# Altium PCB PCB_3U_DDS.PcbDoc (part 7 of 12)
Units mil, origin at the board's own origin, x right, y up, seen from the top; angles counter-clockwise.
Board outline 6338.37 x 3937 mil, 6 copper layers (L1, P2, L3, L4, P5, L6), stack 64.885 mil thick; 954 components, 537 nets, 3358 pads, 2342 vias.
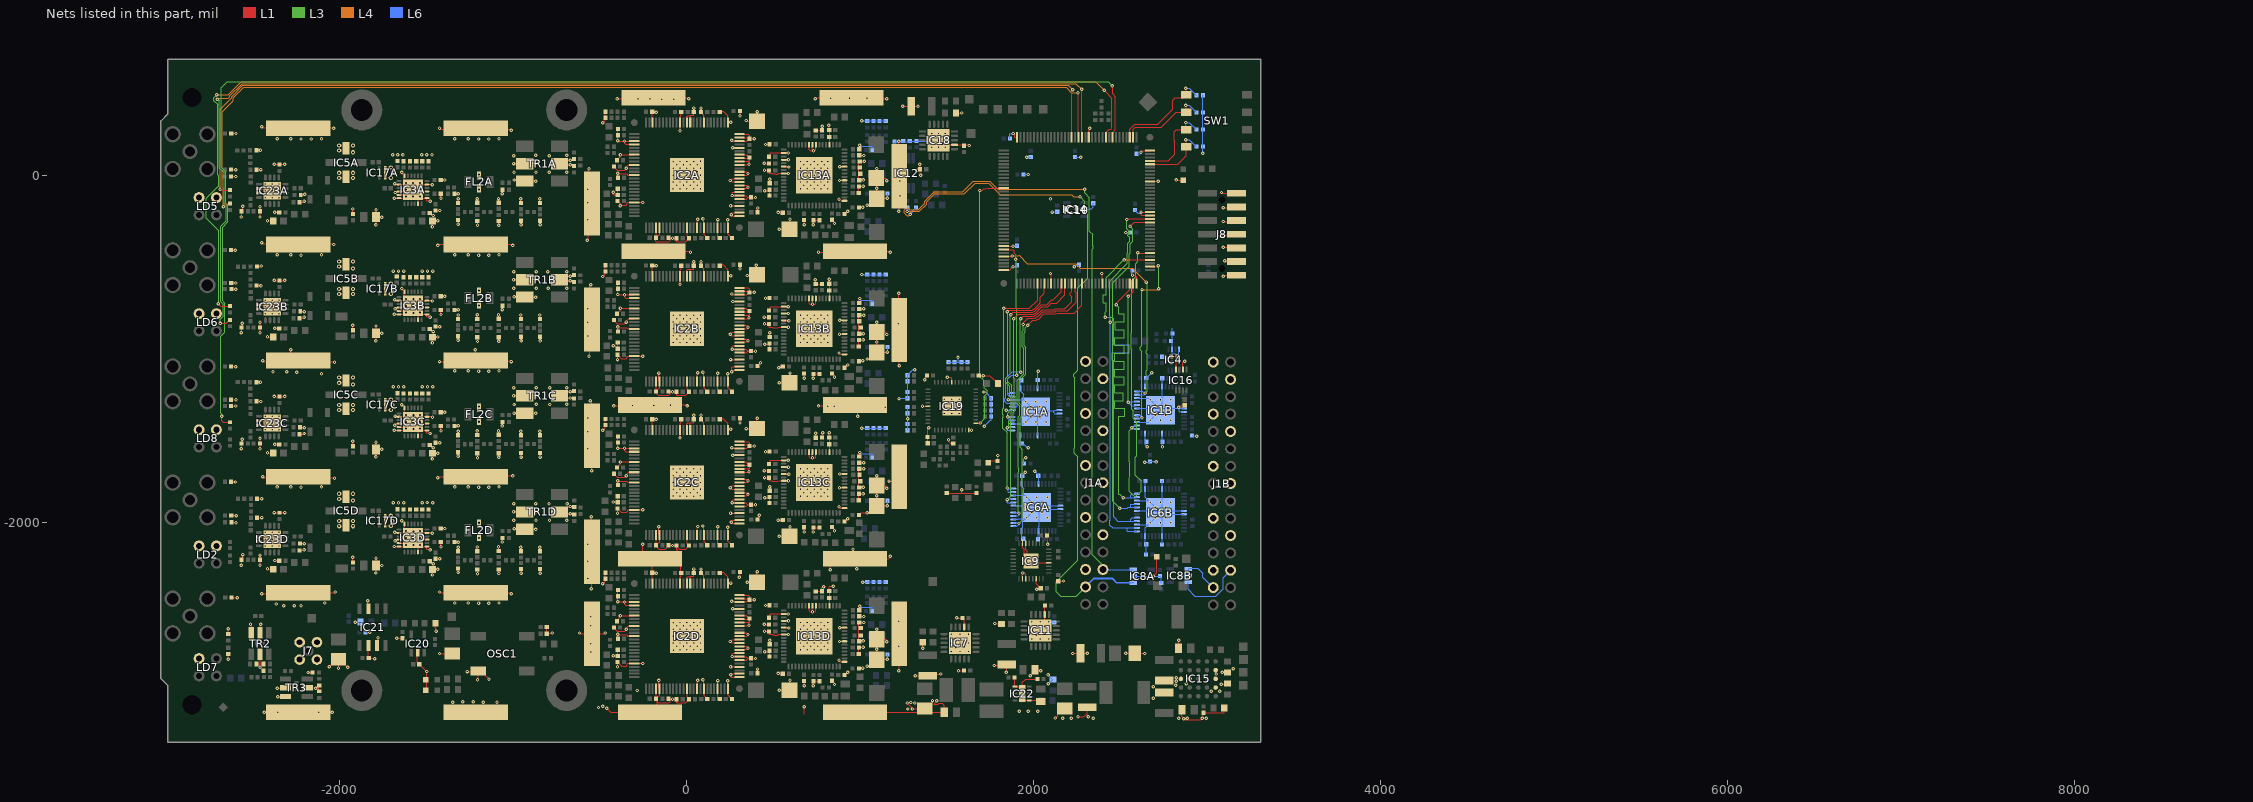
[diagram p11: the nets of this part, all layers, seen from the top]

## Via types
v1: diameter 19.68, hole 7.87, L1 to L6, tented both sides, 2254 vias
v2: diameter 23.62, hole 11.81, L1 to L6, tented both sides, 88 vias

## Nets (pads, with @x,y where several pads share a name; then routed paths per layer and width w, separated by ;. In a path a pad name is that pad's centre, name@x,y a point inside that pad or via, vN(x,y) a via of type N, cw(c..) or ccw(c..) an arc to the next point about the centre after c; other vN are vias at no path point) (continued)
GND: (continued)
  L1 w5.98: v1(1017.72,-1799.32) 993.57,-1799.32 990.94,-1799.32 990.94,-1764.24 990.94,-1727.24 990.94,-1695.77 C144C.1@993.7,-1693.02 v1(1019.69,-1693.02) ; v1(1017.72,-913.49) 993.57,-913.49 990.94,-913.49 990.94,-878.06 990.94,-841.83 990.94,-809.94 C144B.1@993.7,-807.19 v1(1019.69,-807.19) ; v1(1017.72,-27.66) 993.57,-27.66 990.94,-27.66 990.94,8.21 990.94,44.21 990.94,75.88 993.7,78.64 996.59,78.64 1021.3,78.64 v1(1021.87,79.21) ; v1(1038.86,-2831.48) 1057.2,-2831.48 C115D.2@1095.28,-2793.41 ; v1(1038.86,-1059.83) 1057.2,-1059.83 C115B.2@1095.28,-1021.76 ; v1(1038.86,-174) 1057.2,-174 C115A.2@1095.28,-135.93 ; v1@1092.87,-841.68 v1@1094.86,-843.66 ; v1@1094.86,-2615.31 1095.28,-2615.73 v1(1095.28,-2618.53) C162D.2@1095.28,-2675.3 ; v1(1094.87,-847.79) 1094.87,-845.68 1093.87,-844.68 v1@1094.87,-843.68 ; v1(1094.87,38.21) 1094.87,42.18 v1@1095.28,42.58 ; v1@1096.91,44.21 v1@1095.28,42.58 ; v1(1151.86,-2690.48) 1150.86,-2689.48 1150.86,-2678.72 1147.44,-2675.3 C162D.2@1095.28,-2675.3 ; v1(1151.86,-1804.65) 1150.86,-1803.65 1150.86,-1792.89 1147.44,-1789.47 C162C.2@1095.28,-1789.47 ; v1(1151.86,-918.83) 1150.86,-917.83 1150.86,-907.06 1147.44,-903.65 C162B.2@1095.28,-903.65 ; v1(1151.86,-33) 1150.86,-32 1150.86,-21.24 1147.44,-17.82 C162A.2@1095.28,-17.82 ; v1(1155.86,-2791.48) 1097.2,-2791.48 C115D.2@1095.28,-2793.41 ; v1(1155.86,-1905.65) 1097.2,-1905.65 C115C.2@1095.28,-1907.58 ; v1(1155.86,-1019.83) 1097.2,-1019.83 C115B.2@1095.28,-1021.76 ; v1(1155.86,-134) 1097.2,-134 C115A.2@1095.28,-135.93 ; v1(1165.35,-1763.47) 1199.23,-1763.47 CLIP28.1@1224.41,-1738.29 ; v1(1172.39,-2196.54) 1172.39,-2201.73 1163.38,-2210.73 CLIP4.1@968.5,-2210.73 ; v1(1221.6,-2855.99) 1224.41,-2853.18 1224.41,-2715.79 CLIP27.1@1224.41,-2643.8 ; v1(1221.6,-680.79) 1221.6,-856.58 1221.6,-889.02 CLIP29.1@1224.41,-891.83 1224.41,-1091.37 1221.6,-1094.18 1224.87,-1097.45 v1(1224.87,-1098.79) ; v1(1221.6,-208.35) 1224.41,-205.54 1224.41,-119.58 1224.41,-33.58 CLIP1.1@1224.41,-6.01 1221.6,-3.2 v1(1221.6,195.19) ; v1(1244.09,397.54) C169.1@1293.31,397.54 v1(1332.68,397.54) ; v1(1270.81,-3042.99) 1302.72,-3074.91 C156.2@1372.05,-3074.91 ; v1(1316.93,-2885.51) 1372.46,-2885.51 1379.92,-2878.06 1388.92,-2878.06 1461.73,-2878.06 v1(1464.11,-2875.67) ; v1(1328.51,28.42) 1339.54,28.42 C167.2@1344.49,33.36 ; v1(1342.52,62.89) 1344.49,60.92 C167.2@1344.49,33.36 ; v1(1348.51,-1.58) 1344.49,2.44 C167.2@1344.49,33.36 ; v1(1358.27,-1332.78) 1359.25,-1331.8 IC19.6@1389.76,-1331.8 ; v1(1359.39,-2728.03) R80.1@1359.39,-2693.91 ; v1(1371.4,-1180.24) 1371.4,-1172.7 C98.1@1384.51,-1159.58 ; C98.1@1378.4,-1161.08 C98.1@1383.86,-1155.61 ; C91.1@1388.14,-1545.83 1387.8,-1545.48 C97.1@1387.8,-1509.95 1387.8,-1463.89 v1(1394.86,-1456.83) ; v1(1439.87,-3029.79) 1439.87,-3032.08 1440.94,-3033.15 1424.3,-3049.79 1449.09,-3049.79 1453.38,-3045.5 1471.58,-3045.5 1484.25,-3058.17 C183.1@1484.25,-3096.56 1393.7,-3096.56 C156.2@1372.05,-3074.91 ; R110.2@1496.38,-1832.29 R110.2@1498.87,-1832.29 1584.87,-1832.29 ; v1(1501.61,-1164.39) 1519.93,-1164.39 1527.56,-1172.02 IC19.39@1527.56,-1194 ; v1(1508.39,-1526.32) 1508.39,-1535.35 1519.21,-1546.18 1534.27,-1546.18 C94.1@1535.43,-1547.35 ; IC18.21@1514.63,157.04 1514.63,175.09 IC18.12@1543.31,175.09 1598.43,175.09 1624.02,175.09 v1(1627.95,171.16) ; R130.1@1551.18,358.17 v1(1584.65,358.17) ; v1(1556.25,-2550.87) 1558.63,-2553.25 C77.1@1588.58,-2553.25 1599.87,-2564.54 IC7.12@1599.87,-2604.08 ; v1(1566.09,-2855.99) C63.2@1587.74,-2855.99 ; v1(1584.87,-1813.79) 1584.87,-1832.29 ; IC19.22@1627.95,-1471.56 IC19.22@1625.98,-1469.59 1640.62,-1469.59 v1(1640.86,-1469.83) ; R108.2@1669.87,-1833.29 1668.87,-1832.29 1584.87,-1832.29 ; C100.1@1683.07,-1155.61 v1(1709.65,-1155.61) 1746.17,-1155.61 1791.34,-1200.79 R141.1@1793.31,-1200.79 ; LD4.1@1736.22,-1656.6 1745.87,-1646.95 R14A.2@1791.34,-1646.95 v1(1791.34,-1616.24) ; v1(1772.77,-2826.45) 1783.46,-2826.45 1839,-2826.46 C166.1@1844.49,-2820.97 1844.49,-2863.02 v1(1841.68,-2865.83) ; v1(1775.59,-2584.75) 1777.56,-2586.72 R119.1@1812.99,-2586.72 ; IC10.36@1826.77,-547.35 1860.31,-547.35 1879.92,-527.74 v1(1879.92,-527.66) ; IC10.29@1826.77,-409.55 v1(1879.92,-409.55) ; v1(1881.89,240.06) 1889.76,232.18 1889.76,218.4 IC10.144@1903.54,218.4 ; C178.1@1888.92,-2895.36 1888.92,-2946.11 IC22.6@1891.73,-2948.92 1920.08,-2948.92 IC22.11@1933.07,-2961.91 ; IC9.2@1934.65,-2326.77 1934.65,-2295.77 v1(1937.01,-2293.41) 1944.91,-2293.41 1954.33,-2302.83 IC9.3@1954.33,-2326.77 ; IC9.23@1934.65,-2122.05 1934.65,-2145.64 1944.13,-2155.13 1944.13,-2186.36 1961.37,-2203.59 1961.37,-2202.76 1961.37,-2167.66 1952.68,-2158.97 1952.68,-2123.7 IC9.22@1954.33,-2122.05 ; v1(1979.47,-2885.51) 2007.87,-2857.11 C179.1@2007.87,-2850.5 2036.42,-2850.5 2039.37,-2853.45 v1(2039.37,-2855.99) ; IC9.33@1983.86,-2224.41 1993.7,-2234.25 2005.51,-2234.25 IC9.12@2086.22,-2234.25 ; IC9.6@2013.39,-2326.77 2013.39,-2354.04 C89.1@2040.35,-2381.01 2036.42,-2384.94 2019.69,-2384.94 v1(2016.7,-2387.95) ; C181.1@2020.81,-2905.2 1952.33,-2905.2 1933.07,-2924.46 IC22.11@1933.07,-2961.91 ; v1(2036.88,-2624.43) v1(2060.5,-2600.81) 2064.57,-2596.75 2064.57,-2531.91 C165.1@2064.57,-2480.31 ; C182.1@2041.34,-3033.57 2035.43,-3027.66 IC22.1@1974.41,-3027.66 1946.06,-3027.66 1933.07,-3014.67 IC22.11@1933.07,-2988.29 IC22.11@1933.07,-2961.91 ; C86.1@2076.23,-2076.58 2076.23,-2106 2080.51,-2110.28 2079.51,-2110.28 2079.51,-2126.43 v1(2081.2,-2128.12) ; v1(2096.46,-567.03) 2100.39,-570.97 IC10.47@2100.39,-624.12 ; v1(2124.67,-3129.37) 2138.29,-3115.75 2138.29,-3101.9 2144.98,-3095.21 2158.35,-3095.21 2165.04,-3088.52 2165.52,-3088.52 C74.2@2179.13,-3074.91 ; C90.1@2141.34,-2340.55 2170.38,-2340.55 v1(2171.26,-2339.67) ; v1(2225.54,-2757.56) 2227.19,-2755.91 C163.1@2269.29,-2755.91 v1(2308.66,-2755.91) ; v1(2255.06,-3121.74) 2288.93,-3121.74 2307.09,-3103.58 ; v1(2271.65,104.23) v1@2273.62,102.26 ; C75.1@2307.09,-3067.03 2307.09,-3103.58 ; v1(2314.12,-3121.74) 2307.09,-3114.7 2307.09,-3103.58 ; IC10.123@2316.93,218.4 2316.93,255.8 2322.83,261.71 v1(2322.83,269.58) ; v1(2391.73,-567.03) 2395.67,-570.97 IC10.62@2395.67,-624.12 ; v1(2530.65,-2755.91) C76.2@2582.28,-2755.91 2637.27,-2755.91 v1(2638.92,-2757.56) ; v1(2568.9,-576.87) 2582.68,-576.87 2592.52,-586.72 IC10.72@2592.52,-624.12 ; v1(2618.11,131.79) 2627.95,141.63 IC10.108@2669.29,141.63 ; IC10.89@2669.29,-232.39 2618.11,-232.39 v1(2618.11,-212.7) IC10.90@2669.29,-212.7 ; IC10.99@2669.29,-35.54 v1(2716.54,-35.54) ; v1(2688.14,-2312.11) 2707.68,-2292.57 LD3.1@2707.68,-2200.89 ; C45.1@2790.94,-1045.28 v1@2822.94,-1045.28 ; IC16.4@2820.47,-1120.08 2820.47,-1047.74 v1@2822.94,-1045.28 ; v1(2821.51,-27.58) 2823.99,-30.06 LD10.1@2862.51,-30.06 ; v1(2826.77,-1041.44) v1@2822.94,-1045.28 ; C64.1@2834.25,-2726.38 2834.25,-2682.73 v1(2835.77,-2681.2) ; v1(2836.4,-1338.24) 2845.4,-1329.24 2867.22,-1329.24 C46.1@2869.69,-1326.77 ; C70.1@2853.94,-3080.71 2853.94,-3120.21 2865.19,-3131.47 2873.58,-3139.86 2884.99,-3139.86 2963.08,-3139.86 v1(2971.36,-3131.58) 2977.95,-3124.98 C67.1@2977.95,-3098.43 3012.5,-3098.43 3013.6,-3099.53 3096.74,-3099.53 3098.03,-3098.24 R55.2@3098.03,-3070.87 ; IC16.2@2859.84,-1120.08 2859.84,-1082.68 v1(2869.68,-1072.83) ; v1(2878.3,-2931.57) 2878.3,-2923.67 IC15.C2@2898.43,-2903.54 ; v1(3081.3,-2934.73) 3112.12,-2934.73 R82.2@3115.75,-2931.1 ; v1(3081.84,-100.08) 3086.19,-104.43 J8.13@3168.31,-104.43 ; v1(3086.22,-2865.83) 3086.53,-2866.14 R87.2@3115.75,-2866.14 ; v1(3091.68,-582.36) 3097.17,-576.87 J8.1@3168.31,-576.87 ; v1(3091.68,-415.04) 3163.96,-415.04 J8.5@3168.31,-419.39 ; v1(3091.68,-346.14) 3162.82,-346.14 J8.7@3168.31,-340.65 ; v1(3091.68,-267.4) 3162.82,-267.4 J8.9@3168.31,-261.91 ; v1(3091.68,-188.66) 3162.82,-188.66 J8.11@3168.31,-183.17 ; v1(3101.52,-493.78) 3105.87,-498.13 J8.3@3168.31,-498.13 ; v1@-1687.99,-2106.4 -1685.75,-2104.16 -1684.06,-2102.46 -1682.13,-2102.46 -1660.43,-2102.46 IC3D.16@-1659.45,-2101.48 -1618.11,-2101.48 IC3D.25@-1588.58,-2101.48 ; IC3D.25@-1608.27,-2121.17 IC3D.25@-1588.58,-2101.48 ; IC3C.25@-1608.27,-1451.87 IC3C.25@-1588.58,-1432.19 ; IC3B.25@-1608.27,-782.58 IC3B.25@-1588.58,-762.9 ; IC3A.25@-1608.27,-113.29 IC3A.25@-1588.58,-93.61 ; IC3D.25@-1588.58,-2101.48 -1579.73,-2092.63 -1578.74,-2092.63 IC3D.25@-1577.75,-2092.63 ; IC3C.25@-1588.58,-1432.19 -1579.74,-1423.34 -1578.74,-1423.34 IC3C.25@-1577.74,-1423.34 ; IC3B.25@-1588.58,-762.9 -1579.74,-754.05 -1578.74,-754.05 IC3B.25@-1577.74,-754.05 ; IC3A.25@-1588.58,-93.61 v2(-1578.74,-83.76) ; IC3D.25@-1577.75,-2092.63 v2(-1574.81,-2092.63) ; IC3C.25@-1577.74,-1423.34 v2(-1574.81,-1423.34) ; IC3B.25@-1577.74,-754.05 v2(-1574.81,-754.05) ; CLIP14.1@-212.6,-2210.73 -199.8,-2223.53 C159D.1@-199.8,-2292.32 ; CLIP14.1@-212.6,-2210.73 CLIP14.1@-101.64,-2210.73 ; C120D.1@-175.15,-3015.8 -170.28,-3020.67 C120D.1@-170.28,-3026.68 ; C120D.1@-175.15,-3015.8 C120D.1@-178.15,-3018.8 C120D.1@-170.28,-3026.68 ; C120C.1@-175.15,-2129.97 -170.28,-2134.84 -170.28,-2145.57 -159.82,-2156.02 -125.36,-2156.02 -104.18,-2134.84 v1(-82.68,-2134.84) C109C.1@-59.06,-2134.84 -59.06,-2154.92 ; -170.28,-3035.57 C120D.1@-170.28,-3026.68 ; CLIP14.1@-101.64,-2210.73 -55.49,-2164.58 -59.06,-2161.02 -59.06,-2154.92 ; 19.67,336.68 20.67,342.89 ; 19.67,336.68 19.69,332.69 IC2A.62@19.69,303.15 20.67,304.13 19.67,336.68 ; 20.67,-2323.8 20.67,-2314.59 ; 20.67,-2323.8 19.69,-2324.79 IC2D.62@19.69,-2354.33 20.67,-2353.35 20.67,-2323.8 ; 20.67,-1437.97 20.67,-1428.76 ; 20.67,-1437.97 19.69,-1438.96 IC2C.62@19.69,-1468.5 20.67,-1467.52 20.67,-1437.97 ; 20.67,-552.15 20.67,-542.94 ; 20.67,-552.15 20.67,-581.69 IC2B.62@19.69,-582.68 19.69,-553.13 20.67,-552.15 ; 361.22,-2575.2 C105D.1@361.22,-2555.12 ; 361.22,-1689.37 C105C.1@361.22,-1669.29 ; 361.22,-803.54 C105B.1@361.22,-783.46 ; 361.22,82.28 C105A.1@361.22,102.36 ; v1@414.75,-1961.24 416.07,-1959.92 417.4,-1958.6 v1(417.4,-1961.24) ; v1@414.75,-1961.24 v1(417.4,-1961.24) ; v1@1094.86,-843.66 1095.28,-843.24 1095.28,-847.79 C162B.2@1095.28,-903.65 ; C115D.2@1095.28,-2793.41 v1(1095.28,-2733.48) C162D.2@1095.28,-2675.3 ; C115C.2@1095.28,-1907.58 v1(1095.28,-1847.65) C162C.2@1095.28,-1789.47 ; C162C.2@1095.28,-1789.47 v1(1095.28,-1732.71) v1@1095.28,-1729.91 ; v1@1095.28,-1729.91 1095.28,-1729.07 1094.86,-1729.49 v1@1095.28,-1729.91 ; C115B.2@1095.28,-1021.76 v1(1095.28,-961.83) C162B.2@1095.28,-903.65 ; C115A.2@1095.28,-135.93 v1(1095.28,-76) C162A.2@1095.28,-17.82 ; C162A.2@1095.28,-17.82 1095.28,-17.72 1095.28,38.21 v1@1095.28,42.58
  L3 w5.98: v1(250.98,-2688.09) v1@250.98,-2683.17 ; v1(250.98,-1802.27) v1@250.98,-1797.35 ; v1(250.98,-916.44) v1@250.98,-911.52 ; v1(250.98,-30.61) v1@250.98,-25.69 ; v1@406.4,-2846.24 v1(407.4,-2847.24) ; v1@450.79,-2478.45 v1(453.35,-2481.01) ; v1@450.79,-1592.62 v1(453.35,-1595.18) ; v1@450.79,-706.8 v1(453.35,-709.35) ; v1@450.79,179.03 v1(453.35,176.47) ; v1(588.58,-2610.34) v1@592.52,-2606.4 ; v1(588.58,-1724.51) v1@592.52,-1720.57 ; v1(588.58,-838.69) v1@592.52,-834.75 ; v1(588.58,47.14) v1@592.52,51.08 ; v1(739.31,-602.05) v1@739.31,-595.82 ; v1@2014.81,-2387.95 v1(2016.7,-2387.95)
  L6 w5.98: v1(-1911.13,-2576.79) -1881.98,-2576.79 R135.1@-1881.89,-2576.87 ; C177.1@-1852.36,-2635.93 -1832.28,-2635.93 -1830.28,-2637.94 -1829.58,-2638.63 -1827.13,-2636.18 v1(-1827.13,-2634.79) ; v1(996.38,-2484.67) 1003.77,-2492.06 1016.21,-2492.06 1016.56,-2491.72 1065.8,-2491.72 1068.7,-2494.61 R15D.2@1068.7,-2504.04 ; v1(996.38,-1598.84) 1003.77,-1606.24 1016.21,-1606.24 1016.56,-1605.89 1066.39,-1605.89 1068.7,-1608.2 R15C.2@1068.7,-1618.21 ; v1(996.38,172.81) 1003.77,165.42 1016.21,165.42 1016.56,165.76 1065.32,165.76 1068.7,162.39 R15A.2@1068.7,153.44 ; v1(996.86,-710.83) 996.86,-713.5 1003.77,-720.41 1016.21,-720.41 1016.56,-720.06 1068.15,-720.06 1068.7,-720.61 R15B.2@1068.7,-732.39 ; v1(1007.75,-1458.76) R105C.1@1040.35,-1458.76 R104C.1@1075.79,-1458.76 R107C.1@1111.22,-1458.76 R106C.1@1146.65,-1458.76 ; v1(1007.75,-572.94) R105B.1@1040.35,-572.94 R104B.1@1075.79,-572.94 R107B.1@1111.22,-572.94 R106B.1@1146.65,-572.94 ; v1(1007.75,312.89) R105A.1@1040.35,312.89 R104A.1@1075.79,312.89 R107A.1@1111.22,312.89 R106A.1@1146.65,312.89 ; v1(1014,-2347) 1026.29,-2347 1032.12,-2352.83 R105D.1@1040.35,-2344.59 R104D.1@1075.79,-2344.59 R107D.1@1111.22,-2344.59 R106D.1@1146.65,-2344.59 ; v1(1155.86,-2791.48) 1157.09,-2790.25 R94D.1@1157.09,-2763.01 ; v1(1155.86,-1905.65) 1157.09,-1904.43 R94C.1@1157.09,-1877.18 ; v1(1155.86,-1019.83) 1157.09,-1018.6 R94B.1@1157.09,-991.35 ; v1(1155.86,-134) 1157.09,-132.77 R94A.1@1157.09,-105.53 ; R126.1@1196.51,193.92 1221.6,193.92 1247.51,193.92 1283.51,193.92 R128.1@1285.51,195.92 1323.51,195.92 1406.65,195.92 v1(1411.42,200.68) ; v1(1222.86,-1287.83) 1225.15,-1285.54 R62.1@1272.83,-1285.54 R63.1@1272.83,-1250.1 R69.1@1272.83,-1188.69 R77.1@1272.83,-1153.25 1272.83,-1151.85 1301.86,-1122.83 v1(1313.86,-1122.83) ; v1(1227.51,-33.58) 1227.51,-75.58 IC12.4@1228.13,-76.2 ; R42.1@1272.83,-1470.57 R37.1@1272.83,-1435.14 1272.83,-1404.83 R60.1@1272.83,-1372.15 R61.1@1272.83,-1336.72 ; v1(1348.51,-1.58) v1@1350.51,0.42 ; R34.1@1507.87,-1078.06 R70.1@1543.31,-1078.06 1563.86,-1078.06 ; v1(1562.86,-1050.83) 1563.86,-1051.83 1563.86,-1078.06 ; R72.1@1618.11,-1078.06 R71.1@1582.68,-1078.06 1563.86,-1078.06 ; v1(1712.6,-1250) 1719.19,-1250 R76.1@1754.72,-1285.54 R95.1@1754.72,-1320.97 R101.1@1754.72,-1356.4 R102.1@1754.72,-1391.83 1754.72,-1411.91 1753.4,-1413.24 1748.4,-1413.24 v1(1714.4,-1447.24) ; v1(1840.51,-1354.43) IC1A.31@1875.98,-1354.43 ; C201.1@1862.2,210.53 1862.2,238.09 1879.92,238.09 v1(1881.89,240.06) ; IC1A.27@1875.98,-1433.17 1942.91,-1433.17 v1(1952.76,-1423.33) v1(1982.28,-1393.8) v1(2011.81,-1364.28) ; IC1A.34@1875.98,-1295.38 IC1A.49@1942.91,-1295.38 ; v1(1879.92,-527.66) 1899.61,-527.66 1903.54,-523.72 C199.1@1903.54,-519.79 ; v1(1879.92,-409.55) 1881.89,-407.58 C187.1@1903.54,-407.58 C187.1@1910.55,-400.57 ; IC6A.27@1881.89,-1984.35 1907.97,-1984.35 1909.45,-1982.87 1909.45,-1980.42 IC6A.49@1952.76,-1980.42 ; IC6A.31@1881.89,-1905.61 1958.66,-1905.61 IC6A.49@2007.87,-1905.61 ; IC6A.34@1881.89,-1846.56 IC6A.49@1942.91,-1846.56 ; IC1A.23@1923.23,-1500.1 1923.23,-1546.36 1923.23,-1549.31 1931.1,-1549.31 1938.98,-1549.31 1961.61,-1571.95 v1(1967.52,-1571.95) ; C4B.1@1928.15,-1181.2 C4B.1@1927.17,-1182.19 1923.23,-1186.13 IC1A.38@1923.23,-1228.45 1923.23,-1242.23 1942.91,-1261.91 IC1A.49@1942.91,-1295.38 ; C2B.1@1938.98,-2096.56 1929.13,-2086.72 IC6A.23@1929.13,-2051.28 1929.13,-2037.5 1937.01,-2029.63 1937.01,-1996.17 IC6A.49@1952.76,-1980.42 ; C193.1@1940.94,3.83 v1(1968.5,3.83) ; R1A.2@1943.35,-1662.83 1943.35,-1635.49 1949.8,-1629.04 v1(1953.74,-1629.04) ; v1(1951.77,-1711.72) 1932.58,-1730.91 1929.13,-1734.35 IC6A.38@1929.13,-1779.63 1929.13,-1793.41 1942.91,-1807.19 IC6A.49@1942.91,-1846.56 ; v1(1958.66,102.26) 1960.63,104.23 C192.1@1982.28,104.23 ; v1(2004.92,-1707.78) 2027.56,-1730.42 2027.56,-1732.39 IC6A.43@2027.56,-1779.63 ; IC1A.18@2021.65,-1500.1 2021.65,-1423.33 2021.65,-1393.81 2021.65,-1374.12 v1(2011.81,-1364.28) ; IC1A.43@2021.65,-1228.45 2021.65,-1180.22 2021.65,-1135.88 v1(2026.54,-1131) ; C7A.1@2024.61,-2098.53 2024.61,-2054.24 IC6A.18@2027.56,-2051.28 2027.56,-2025.21 2031.99,-2025.21 2031.99,-1929.73 IC6A.49@2027.56,-1925.3 ; IC6A.49@2027.56,-1905.61 2076.77,-1905.61 IC6A.6@2153.54,-1905.61 ; v1(2082.25,-2880.02) 2109.81,-2907.58 R136.1@2110.24,-2907.58 2086.95,-2930.87 2086.95,-2931.2 2086.95,-2933.94 v1(2084.22,-2931.2) ; v1(2086.09,-2575.22) 2114.06,-2575.22 C160.2@2117.27,-2578.43 ; v1(2106.3,-212.7) 2108.27,-210.73 C198.1@2135.83,-210.73 ; IC1A.7@2147.64,-1374.12 2118.11,-1374.12 2114.17,-1370.18 2114.17,-1359.35 ; IC1A.6@2147.64,-1354.43 2122.57,-1354.43 2119.61,-1357.4 2114.17,-1357.4 2114.17,-1359.35 ; IC6A.7@2153.54,-1925.3 2076.77,-1925.3 IC6A.49@2027.56,-1925.3 ; v1(2234.25,-527.66) 2234.25,-523.33 2237.8,-519.79 C104.1@2257.87,-519.79 ; C188.1@2238.19,104.23 v1(2271.65,104.23) ; v1(2244.09,-193.02) 2287.11,-193.02 IC14.2@2290.94,-196.85 2294.78,-193.02 2332.68,-193.02 2342.52,-183.17 C197.1@2342.52,-161.52 ; v1(2529.53,-330.81) C200.1@2555.12,-330.81 ; C185.1@2564.96,-547.35 2564.96,-549.79 2564.96,-572.94 v1(2568.9,-576.87) ; IC8A.2@2573.82,-2312.11 v1(2688.14,-2312.11) 2726.38,-2312.11 C10A.1@2727.36,-2311.13 2735.24,-2319 C10B.1@2735.24,-2351.48 ; C186.1@2582.68,-200.89 2600.45,-218.66 2600.45,-220.52 2610.29,-220.52 v1(2618.11,-212.7) ; C184.1@2592.52,123.91 2612.6,123.91 2618.11,129.43 v1(2618.11,131.79) ; IC6B.27@2594.49,-2013.88 IC6B.49@2661.42,-2013.88 ; IC6B.31@2594.49,-1935.14 2671.26,-1935.14 IC6B.49@2720.47,-1935.14 ; IC6B.34@2594.49,-1876.09 IC6B.49@2661.42,-1876.09 ; IC1B.27@2594.49,-1423.33 2661.42,-1423.33 v1(2671.26,-1413.49) v1(2700.79,-1383.96) v1(2730.31,-1354.43) ; IC1B.31@2594.49,-1344.59 2671.26,-1344.59 IC1B.49@2720.47,-1344.59 ; IC1B.34@2594.49,-1285.54 2661.42,-1285.54 v1(2671.26,-1295.38) v1(2700.79,-1324.91) IC1B.49@2720.47,-1344.59 ; v1(2638.92,-1655.2) 2665.57,-1655.2 R1B.2@2670.28,-1650.5 2690.35,-1650.5 2690.35,-1653.23 v1(2705.85,-1653.23) ; IC1B.23@2641.73,-1490.26 2641.73,-1537.5 2641.73,-1553.54 v1(2653.15,-1564.96) ; IC1B.38@2641.73,-1218.61 2641.73,-1177.27 2649.11,-1169.89 v1(2679.13,-1139.87) ; C6A.1@2643.7,-1762.9 2641.73,-1764.87 IC6B.38@2641.73,-1809.16 2641.73,-1856.4 IC6B.49@2661.42,-1876.09 ; R14B.2@2647.83,-2187.11 2647.64,-2186.91 C7B.1@2647.64,-2127.07 2641.73,-2121.17 IC6B.23@2641.73,-2080.81 2641.73,-2033.57 IC6B.49@2661.42,-2013.88 ; C8B.1@2739.17,-2129.04 2739.17,-2080.81 2739.17,-2004.04 2739.17,-1953.84 2740.16,-1954.83 2789.37,-1954.83 IC6B.7@2866.14,-1954.83 ; C6B.1@2739.17,-1762.9 2740.16,-1763.88 IC6B.43@2740.16,-1809.16 2740.16,-1885.93 IC6B.49@2740.16,-1935.14 ; IC1B.18@2740.16,-1490.26 2740.16,-1537.5 2740.16,-1563.39 v1(2741.73,-1564.96) ; C4A.1@2740.16,-1171.36 IC1B.43@2740.16,-1218.61 2740.16,-1295.38 IC1B.49@2740.16,-1344.59 ; C13.1@2740.16,-1047.35 2791.34,-1047.35 2797.24,-1041.44 2797.24,-1030.61 ; 2797.24,-881.99 2797.24,-912.5 2797.24,-955.81 IC4.2@2797.24,-1004.04 2797.24,-1030.61 ; IC4.4@2836.61,-1004.04 2836.61,-1031.6 v1(2826.77,-1041.44) 2815.94,-1030.61 2797.24,-1030.61 ; v1@2837.4,-1345.59 2837.4,-1361.61 2840.06,-1364.28 IC1B.7@2866.14,-1364.28 ; v1(2845.51,-2308.58) 2889.35,-2308.58 IC8B.2@2889.76,-2308.17 ; IC6B.6@2866.14,-1935.14 2789.37,-1935.14 IC6B.49@2740.16,-1935.14 ; IC1B.6@2866.14,-1344.59 2836.4,-1344.59 2789.37,-1344.59 IC1B.49@2740.16,-1344.59 ; C5A.1@2912.4,-1501.09 2933.76,-1501.09 v1(2938.58,-1505.91) ; v1(2973.57,126.3) 2974.41,127.14 R111.1@2974.41,165.06 R83.1@2974.41,263.48 R85.1@2974.41,361.91 R86.1@2974.41,460.33 ; IC6A.49@1942.91,-1846.56 1948.82,-1846.56 v1(1958.66,-1856.4) v1(1988.19,-1885.93) IC6A.49@2007.87,-1905.61 ; IC1A.49@1942.91,-1295.38 v1(1952.76,-1305.22) v1(1982.28,-1334.75) v1(2011.81,-1364.28) ; IC6A.49@1952.76,-1980.42 v1(1958.66,-1974.51) v1(1988.19,-1944.98) v1(2017.72,-1915.46) ; IC6A.49@2007.87,-1905.61 v1(2017.72,-1915.46) ; v1(2011.81,-1364.28) 2016.73,-1359.35 2070.87,-1359.35 2114.17,-1359.35 ; v1(2017.72,-1915.46) IC6A.49@2027.56,-1925.3 ; IC6B.49@2661.42,-2013.88 v1(2671.26,-2004.04) v1(2700.79,-1974.51) v1(2730.31,-1944.98) ; IC6B.49@2661.42,-1876.09 v1(2671.26,-1885.93) v1(2700.79,-1915.46) IC6B.49@2720.47,-1935.14 ; IC6B.49@2720.47,-1935.14 v1(2730.31,-1944.98) ; IC1B.49@2720.47,-1344.59 v1(2730.31,-1354.43) ; v1(2730.31,-1944.98) IC6B.49@2740.16,-1935.14 ; v1(2730.31,-1354.43) IC1B.49@2740.16,-1344.59
  other v1: 2863.87,-3132.79 2166.48,-3131.58 2215.69,-3131.58 2343.65,-3131.58 2835.77,-3131.58 2884.99,-3131.58 2993.25,-3131.58 -2437.01,-3096.56 -2358.27,-3096.56 -2122.05,-3096.56 -2043.31,-3096.56 1916.87,-3089.79 1967.87,-3089.79 2021.87,-3089.79 1274.51,-3077.58 1300.51,-3077.58 -509.13,-3068.79 -485.13,-3061.79 1312.99,-3042.99 1290.87,-3039.79 -1350.4,-3037.5 -1173.23,-3037.5 -1094.49,-3037.5 -1291.34,-3035.54 -1232.29,-3035.54 1415.87,-3028.79 2688.58,-3015.15 3022.78,-2974.1 3071.99,-2974.1 -286.13,-2970.79 2688.58,-2948.82 2818.87,-2939.79 2820.87,-2917.79 -1140.61,-2905.2 2820.87,-2896.79 3052.31,-2875.67 3150.73,-2846.14 -554.13,-2748.6 1525.07,-2745.81 1574.28,-2745.81 1623.5,-2745.81 -77.13,-2737.79 79.87,-2736.79 -39.37,-2736.22 0,-2736.22 39.37,-2736.22 655.12,-2736.22 694.49,-2736.22 733.86,-2736.22 773.23,-2736.22 812.6,-2736.22 1550.66,-2724.16 1597.91,-2720.22 -59.06,-2716.54 -19.69,-2716.54 19.69,-2716.54 59.06,-2716.54 674.8,-2716.54 714.17,-2716.54 753.54,-2716.54 792.91,-2716.54 1221.87,-2715.79 -554.13,-2701.89 -78.74,-2696.85 -39.37,-2696.85 0,-2696.85 39.37,-2696.85 78.74,-2696.85 655.12,-2696.85 694.49,-2696.85 733.86,-2696.85 773.23,-2696.85 812.6,-2696.85 1525.07,-2696.6 1574.28,-2696.6 1623.5,-2696.6 -59.06,-2677.17 -19.69,-2677.17 19.69,-2677.17 59.06,-2677.17 674.8,-2677.17 714.17,-2677.17 753.54,-2677.17 792.91,-2677.17 1550.66,-2672.98 1597.91,-2672.98 1987.67,-2673.65 2036.88,-2673.65 2086.09,-2673.65 -78.74,-2657.48 -39.37,-2657.48 0,-2657.48 39.37,-2657.48 78.74,-2657.48 655.12,-2657.48 694.49,-2657.48 733.86,-2657.48 773.23,-2657.48 812.6,-2657.48 2013.26,-2651.99 2060.5,-2648.06 1525.07,-2647.39 1574.28,-2647.39 1623.5,-2647.39 -59.06,-2637.8 -19.69,-2637.8 19.69,-2637.8 59.06,-2637.8 674.8,-2637.8 714.17,-2637.8 753.54,-2637.8 792.91,-2637.8 1987.67,-2624.43 2086.09,-2624.43 -78.74,-2618.11 -39.37,-2618.11 0,-2618.11 39.37,-2618.11 78.74,-2618.11 655.12,-2618.11 694.49,-2618.11 733.86,-2618.11 773.23,-2618.11 812.6,-2618.11 2013.26,-2600.81 -554.13,-2597.91 -59.06,-2598.43 -19.69,-2598.43 19.69,-2598.43 59.06,-2598.43 674.8,-2598.43 714.17,-2598.43 753.54,-2598.43 792.91,-2598.43 -79.13,-2579.79 -39.37,-2578.74 0,-2578.74 39.37,-2578.74 76.87,-2577.79 655.12,-2578.74 694.49,-2578.74 733.86,-2578.74 773.23,-2578.74 812.6,-2578.74 1987.67,-2575.22 2036.88,-2575.22 1220.87,-2571.79 -554.13,-2545.37 -2322.83,-2482.39 -2263.78,-2482.39 -2224.41,-2482.39 -2367.7,-2472.13 -1200.79,-2468.61 -1141.73,-2468.61 -2086.61,-2466.64 -1338.58,-2466.64 -1259.84,-2466.64 -1082.68,-2466.64 -570.87,-2324.91 979.87,-2269.79 1962.2,-2246.06 2005.51,-2246.06 -570.87,-2226.48 1962.2,-2202.76 2005.51,-2202.76 -2206.69,-2158.57 -2429.98,-2137.48 -2390.61,-2137.48 -2351.23,-2137.48 -570.87,-2128.06 -2429.98,-2098.11 -2351.23,-2098.11 -2429.98,-2058.74 -2390.61,-2058.74 -2351.23,-2058.74 -1684.13,-2057.79 2730.31,-2004.04 2789.37,-2004.04 -997.61,-1990.24 -869.61,-1990.24 -791.6,-1990.24 -691.6,-1990.24 2017.72,-1974.51 2076.77,-1974.51 2759.84,-1974.51 1038.86,-1945.65 2047.24,-1944.98 2671.26,-1944.98 2789.37,-1944.98 1958.66,-1915.46 2076.77,-1915.46 2759.84,-1915.46 -870.61,-1895.24 -794.6,-1895.24 -690.6,-1894.24 -998.61,-1893.24 -1691.79,-1888.48 -1662.26,-1888.48 -1632.73,-1888.48 -1524.46,-1888.48 -1465.41,-1888.48 -1497.61,-1887.24 2047.24,-1885.93 2730.31,-1885.93 2789.37,-1885.93 2017.72,-1856.4 2076.77,-1856.4 -78.13,-1849.79 -39.37,-1850.39 0,-1850.39 39.37,-1850.39 655.12,-1850.39 694.49,-1850.39 733.86,-1850.39 773.23,-1850.39 812.6,-1850.39 76.87,-1848.79 -59.06,-1830.71 -19.69,-1830.71 19.69,-1830.71 59.06,-1830.71 674.8,-1830.71 714.17,-1830.71 753.54,-1830.71 792.91,-1830.71 -78.74,-1811.02 -39.37,-1811.02 0,-1811.02 39.37,-1811.02 78.74,-1811.02 655.12,-1811.02 694.49,-1811.02 733.86,-1811.02 773.23,-1811.02 812.6,-1811.02 -2224.41,-1799.31 -1200.79,-1799.31 -1141.73,-1799.31 -2362.2,-1797.35 -2283.46,-1797.35 -2106.3,-1797.35 -1338.58,-1797.35 -1259.84,-1797.35 -1082.68,-1797.35 -59.06,-1791.34 -19.69,-1791.34 19.69,-1791.34 59.06,-1791.34 674.8,-1791.34 714.17,-1791.34 753.54,-1791.34 792.91,-1791.34 -78.74,-1771.65 -39.37,-1771.65 0,-1771.65 39.37,-1771.65 78.74,-1771.65 655.12,-1771.65 694.49,-1771.65 733.86,-1771.65 773.23,-1771.65 812.6,-1771.65 -59.06,-1751.97 -19.69,-1751.97 19.69,-1751.97 59.06,-1751.97 674.8,-1751.97 714.17,-1751.97 753.54,-1751.97 792.91,-1751.97 -78.74,-1732.28 -39.37,-1732.28 0,-1732.28 39.37,-1732.28 78.74,-1732.28 655.12,-1732.28 694.49,-1732.28 733.86,-1732.28 773.23,-1732.28 812.6,-1732.28 -59.06,-1712.6 -19.69,-1712.6 19.69,-1712.6 59.06,-1712.6 674.8,-1712.6 714.17,-1712.6 753.54,-1712.6 792.91,-1712.6 -79.13,-1693.79 78.87,-1693.79 -39.37,-1692.91 0,-1692.91 39.37,-1692.91 655.12,-1692.91 694.49,-1692.91 733.86,-1692.91 773.23,-1692.91 812.6,-1692.91 -570.87,-1576.87 -2206.69,-1489.28 -570.87,-1478.45 -2429.98,-1468.19 -2390.61,-1468.19 -2351.23,-1468.19 -2429.98,-1428.82 -2351.23,-1428.82 2011.81,-1423.33 2070.87,-1423.33 2730.31,-1413.49 2789.37,-1413.49 1273.86,-1404.83 -570.87,-1399.71 2034.41,-1393.81 -2429.98,-1389.45 -2390.61,-1389.45 -2351.23,-1389.45 2759.84,-1383.96 1483.73,-1373.76 1527.04,-1373.76 1570.35,-1373.76 1958.66,-1364.28 2070.87,-1364.28 2671.26,-1354.43 2789.37,-1354.43 1505.91,-1353.45 1549.21,-1353.45 1144.51,-1338.58 1483.73,-1334.39 1570.35,-1334.39 2034.41,-1334.75 812.51,-1332.58 849.51,-1332.58 1527.04,-1331.8 -313.49,-1327.58 -191.49,-1327.58 -94.49,-1326.58 2759.84,-1324.91 -996.06,-1321.95 -789.37,-1321.95 -869.09,-1320.97 -691.93,-1320.97 1505.91,-1310.14 1549.21,-1310.14 2011.81,-1305.22 2070.87,-1305.22 1852.32,-1295.38 2730.31,-1295.38 2789.37,-1295.38 1483.73,-1291.09 1527.04,-1291.09 1570.35,-1291.09 -997.05,-1225.5 -868.11,-1225.5 -789.37,-1225.5 -691.93,-1225.5 -1691.79,-1219.19 -1662.26,-1219.19 -1632.73,-1219.19 -1524.46,-1219.19 -1494.94,-1219.19 -1465.41,-1219.19 -2106.3,-1143.8 -2248.03,-1135.51 -2385.83,-1133.55 -2307.08,-1133.55 259.84,-1133.55 -1200.79,-1130.02 -1141.73,-1130.02 -1338.58,-1128.06 -1259.84,-1128.06 -1082.68,-1128.06 -78.74,-964.57 -39.37,-964.57 0,-964.57 39.37,-964.57 78.74,-964.57 655.12,-964.57 694.49,-964.57 733.86,-964.57 773.23,-964.57 812.6,-964.57 -59.06,-944.88 -19.69,-944.88 19.69,-944.88 59.06,-944.88 674.8,-944.88 714.17,-944.88 753.54,-944.88 792.91,-944.88 -570.87,-927.27 -78.74,-925.2 -39.37,-925.2 0,-925.2 39.37,-925.2 78.74,-925.2 655.12,-925.2 694.49,-925.2 733.86,-925.2 773.23,-925.2 812.6,-925.2 -59.06,-905.51 -19.69,-905.51 19.69,-905.51 59.06,-905.51 674.8,-905.51 714.17,-905.51 753.54,-905.51 792.91,-905.51 -78.74,-885.83 -39.37,-885.83 0,-885.83 39.37,-885.83 78.74,-885.83 655.12,-885.83 694.49,-885.83 733.86,-885.83 773.23,-885.83 812.6,-885.83 -59.06,-866.14 -19.69,-866.14 19.69,-866.14 59.06,-866.14 674.8,-866.14 714.17,-866.14 753.54,-866.14 792.91,-866.14 1219.51,-856.58 -570.87,-848.53 -78.74,-846.46 -39.37,-846.46 0,-846.46 39.37,-846.46 78.74,-846.46 655.12,-846.46 694.49,-846.46 733.86,-846.46 773.23,-846.46 812.6,-846.46 -59.06,-826.77 -19.69,-826.77 19.69,-826.77 59.06,-826.77 674.8,-826.77 714.17,-826.77 753.54,-826.77 792.91,-826.77 -2206.69,-819.98 -78.74,-807.09 -39.37,-807.09 0,-807.09 39.37,-807.09 78.74,-807.09 655.12,-807.09 694.49,-807.09 733.86,-807.09 773.23,-807.09 812.6,-807.09 -2429.98,-798.9 -2390.61,-798.9 -2351.23,-798.9 -570.87,-769.79 -2429.98,-759.53 -2351.23,-759.53 -2429.98,-720.16 -2390.61,-720.16 -2351.23,-720.16 -997.61,-652.24 -691.6,-652.24 -868.61,-651.24 -798.6,-651.24 -997.61,-556.24 -868.61,-556.24 -801.6,-556.24 -691.6,-556.24 -1691.79,-552.84 -1662.26,-552.84 -1632.73,-552.84 -1524.46,-552.84 -1494.94,-552.84 -1465.41,-552.84 -2224.41,-460.73 -1200.79,-460.73 -1141.73,-460.73 -2362.2,-458.76 -2283.46,-458.76 -2106.3,-458.76 -1338.58,-458.76 -1259.84,-458.76 -1082.68,-458.76 -570.87,-257.98 -570.87,-159.55 -2206.69,-150.69 2096.46,-136.91 -2429.98,-129.61 -2390.61,-129.61 -2351.23,-129.61 1228.51,-119.58 -2429.98,-90.24 -2351.23,-90.24 -570.87,-80.81 -80.13,-78.79 78.87,-78.79 -39.37,-78.74 0,-78.74 39.37,-78.74 655.12,-78.74 694.49,-78.74 733.86,-78.74 773.23,-78.74 812.6,-78.74 -59.06,-59.06 -19.69,-59.06 19.69,-59.06 59.06,-59.06 674.8,-59.06 714.17,-59.06 753.54,-59.06 792.91,-59.06 -2429.98,-50.87 -2390.61,-50.87 -2351.23,-50.87 -78.74,-39.37 -39.37,-39.37 0,-39.37 39.37,-39.37 78.74,-39.37 655.12,-39.37 694.49,-39.37 733.86,-39.37 773.23,-39.37 812.6,-39.37 -59.06,-19.69 -19.69,-19.69 19.69,-19.69 59.06,-19.69 674.8,-19.69 714.17,-19.69 753.54,-19.69 792.91,-19.69 -78.74,0 -39.37,0 0,0 39.37,0 78.74,0 655.12,0 694.49,0 733.86,0 773.23,0 812.6,0 -691.6,16.76 -996.61,17.76 -869.61,17.76 -793.6,17.76 -59.06,19.68 -19.69,19.68 19.69,19.68 59.06,19.68 674.8,19.68 714.17,19.68 753.54,19.68 792.91,19.68 -78.74,39.37 -39.37,39.37 0,39.37 39.37,39.37 78.74,39.37 655.12,39.37 694.49,39.37 733.86,39.37 773.23,39.37 812.6,39.37 -59.06,59.06 -19.69,59.06 19.69,59.06 59.06,59.06 674.8,59.06 714.17,59.06 753.54,59.06 792.91,59.06 -79.13,78.21 -39.37,78.74 0,78.74 39.37,78.74 78.87,79.21 655.12,78.74 694.49,78.74 733.86,78.74 777.56,78.74 812.6,78.74 -998.61,112.76 -793.6,112.76 -870.61,113.76 -691.6,113.76 -1695.72,117.45 -1666.19,117.45 -1636.66,117.45 -1528.39,117.45 -1498.87,117.45 -1469.34,117.45 1411.42,161.31 1450.79,161.31 1490.16,161.31 1470.47,181 1428.61,181.35 1450.79,200.68 1490.16,200.68 -2224.41,208.56 -2165.35,208.56 -1200.79,208.56 -1141.73,208.56 -2362.2,210.53 -2283.46,210.53 -2106.3,210.53 -1338.58,210.53 -1259.84,210.53 -1082.68,210.53 1431.1,220.37 1470.47,220.37 1411.42,240.06 1450.79,240.06 1490.16,240.06 -143.7,436.91 -74.8,436.91 828.51,442.42 937.51,442.42 1038.51,443.42